# Altium PCB версия1.PcbDoc (part 1 of 3)
Units mm, origin at the board's own origin, x right, y up, seen from the top; angles counter-clockwise.
Board outline 53 x 45 mm, 4 copper layers (Top Layer, Layer 1, Layer 2, Bottom Layer), stack 1.083 mm thick; 122 components, 140 nets, 822 pads, 325 vias.
Unrouted connection lines stored in the file: 1.
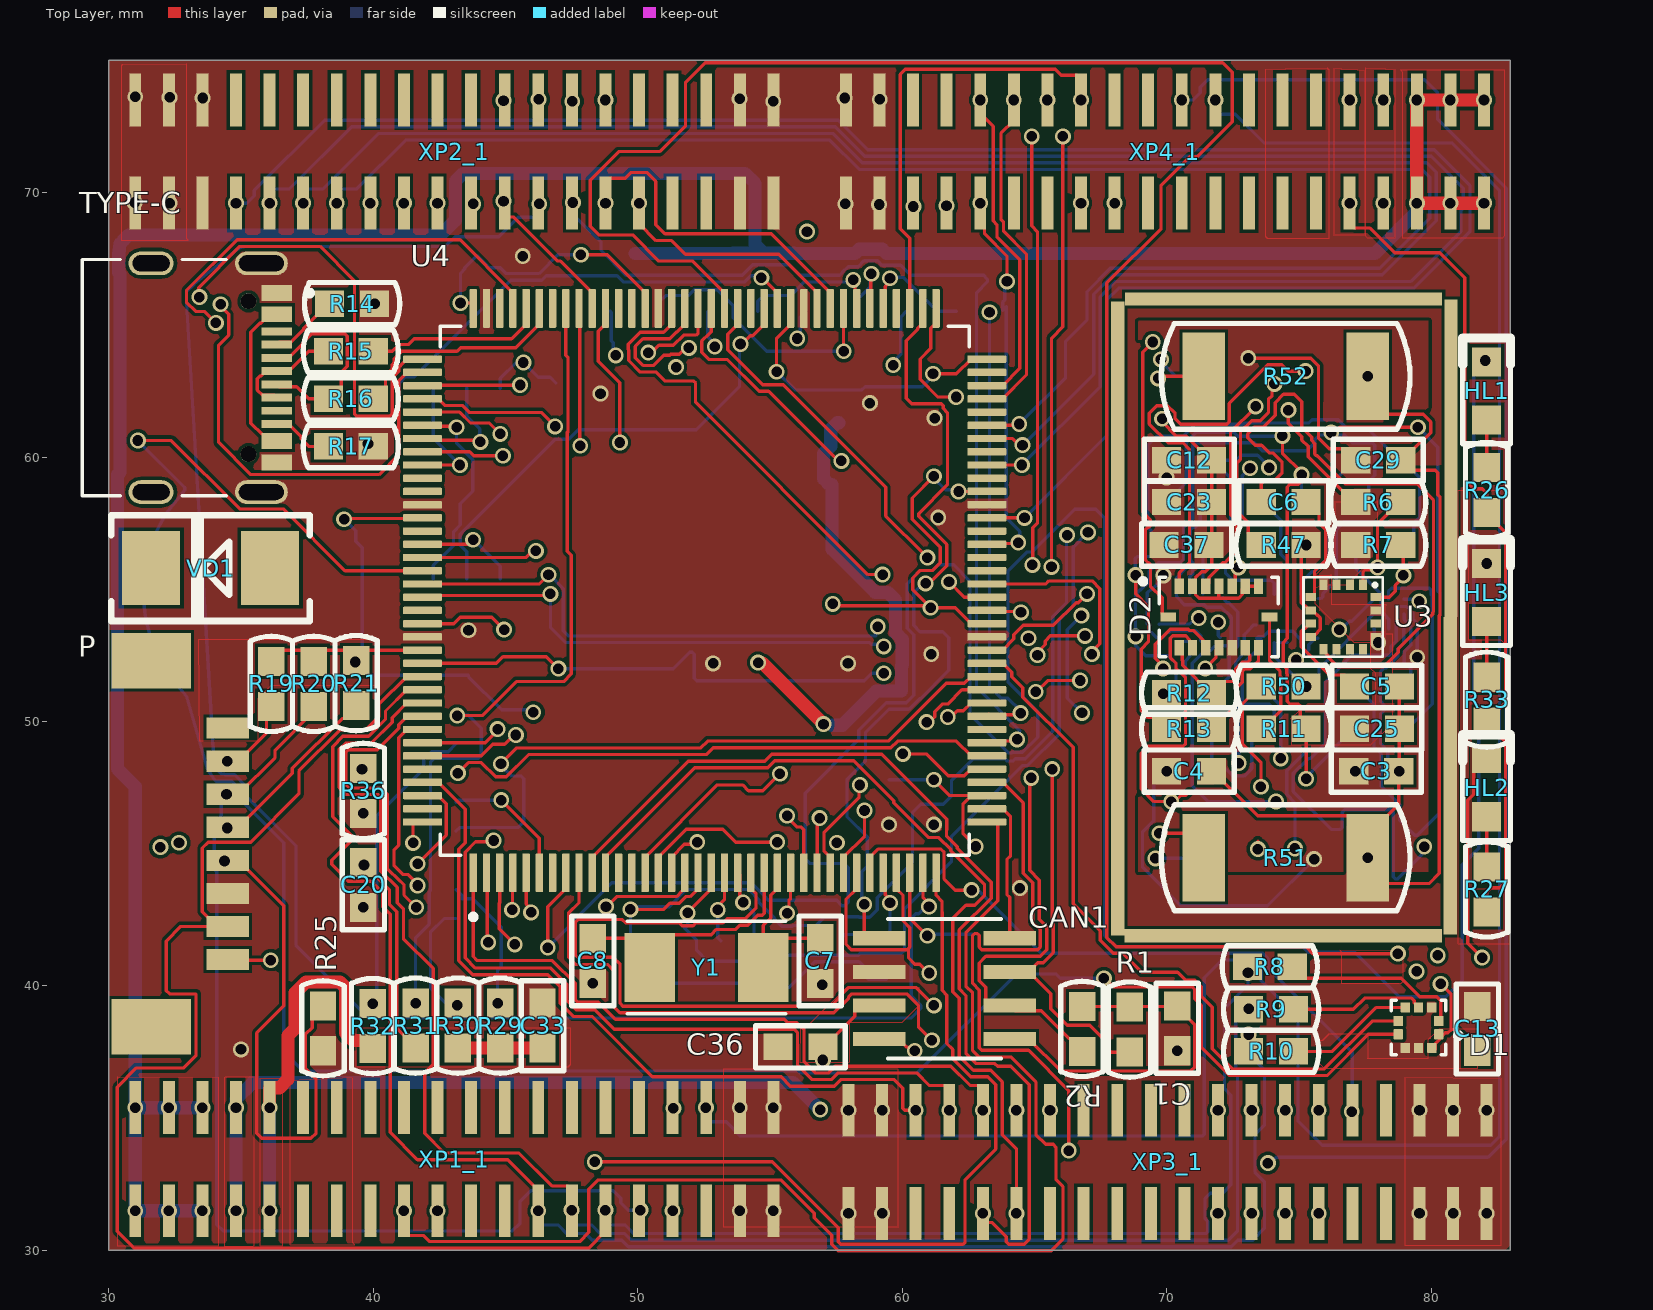
[diagram p0: Top Layer view]
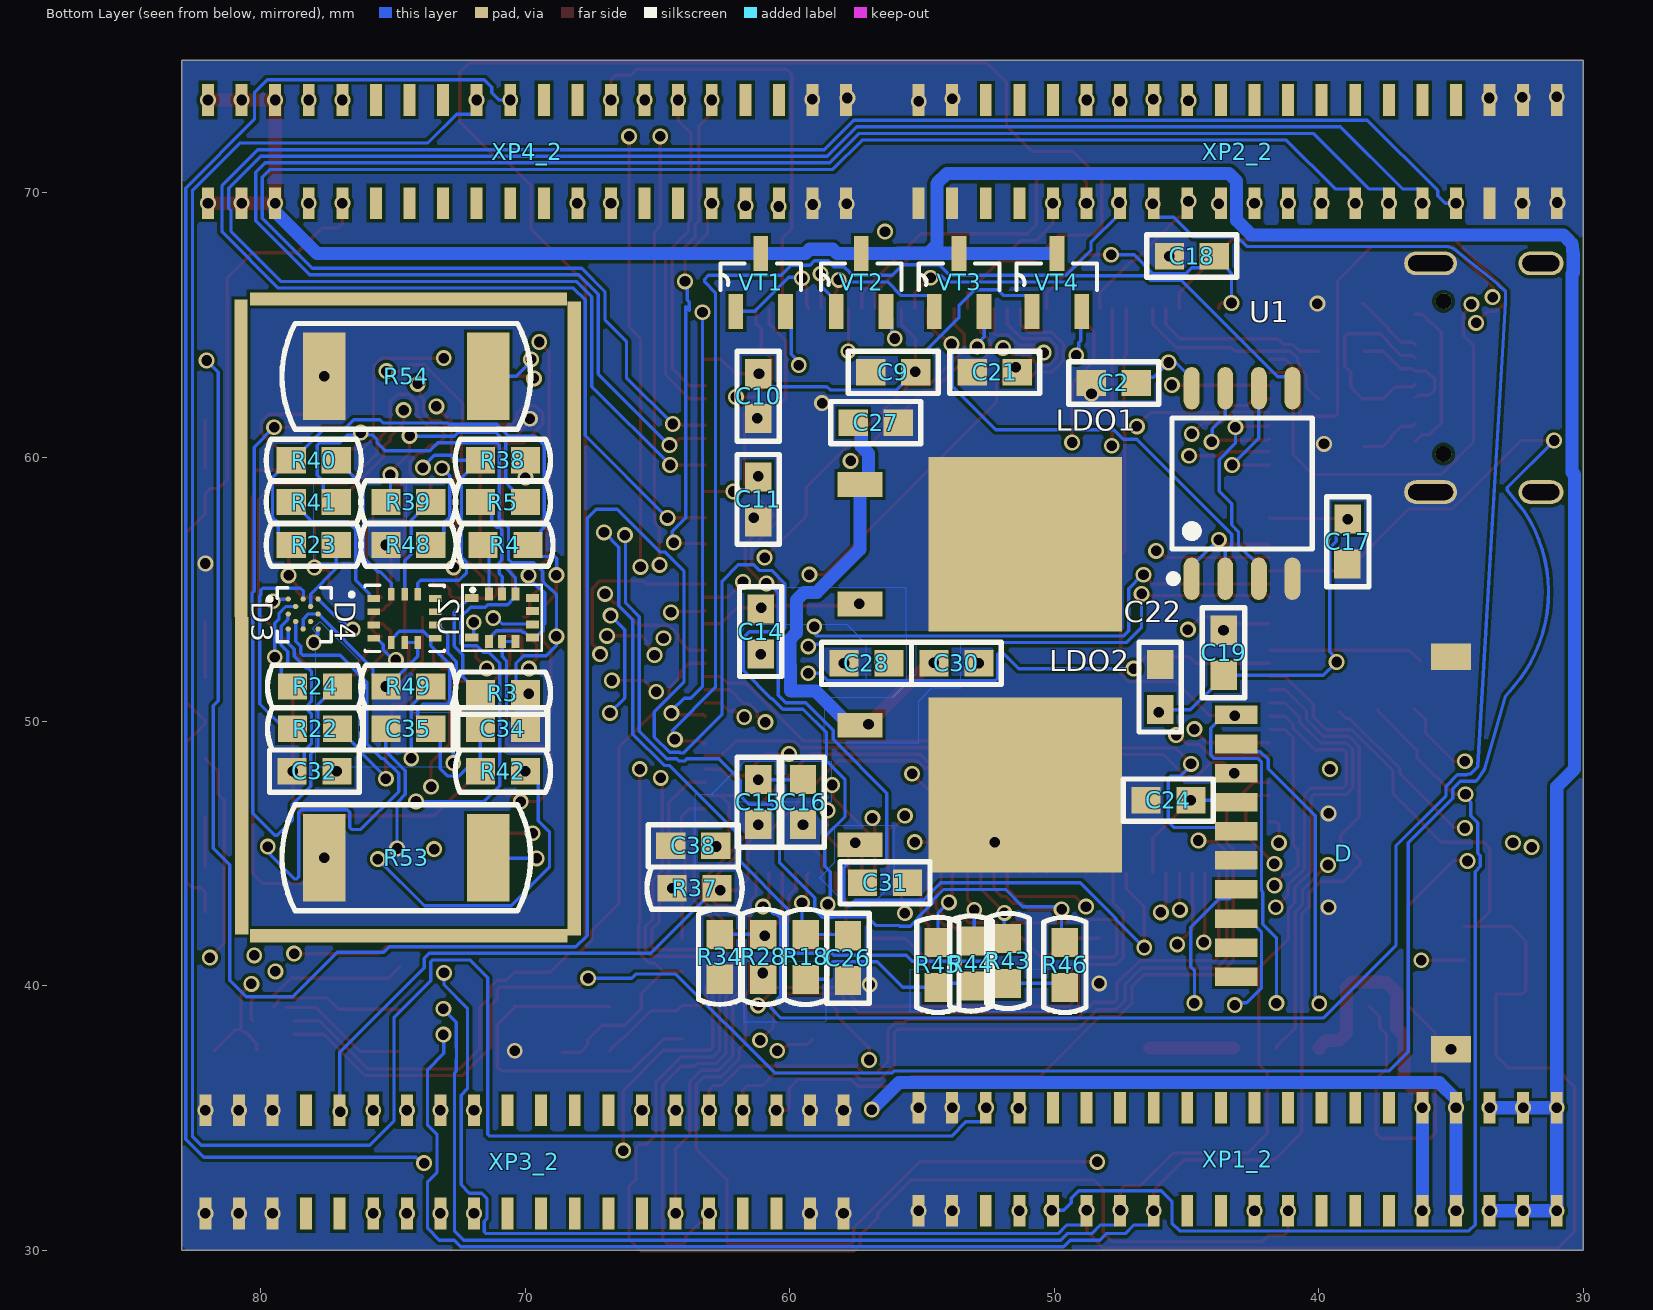
[diagram p1: Bottom Layer view, seen from below]
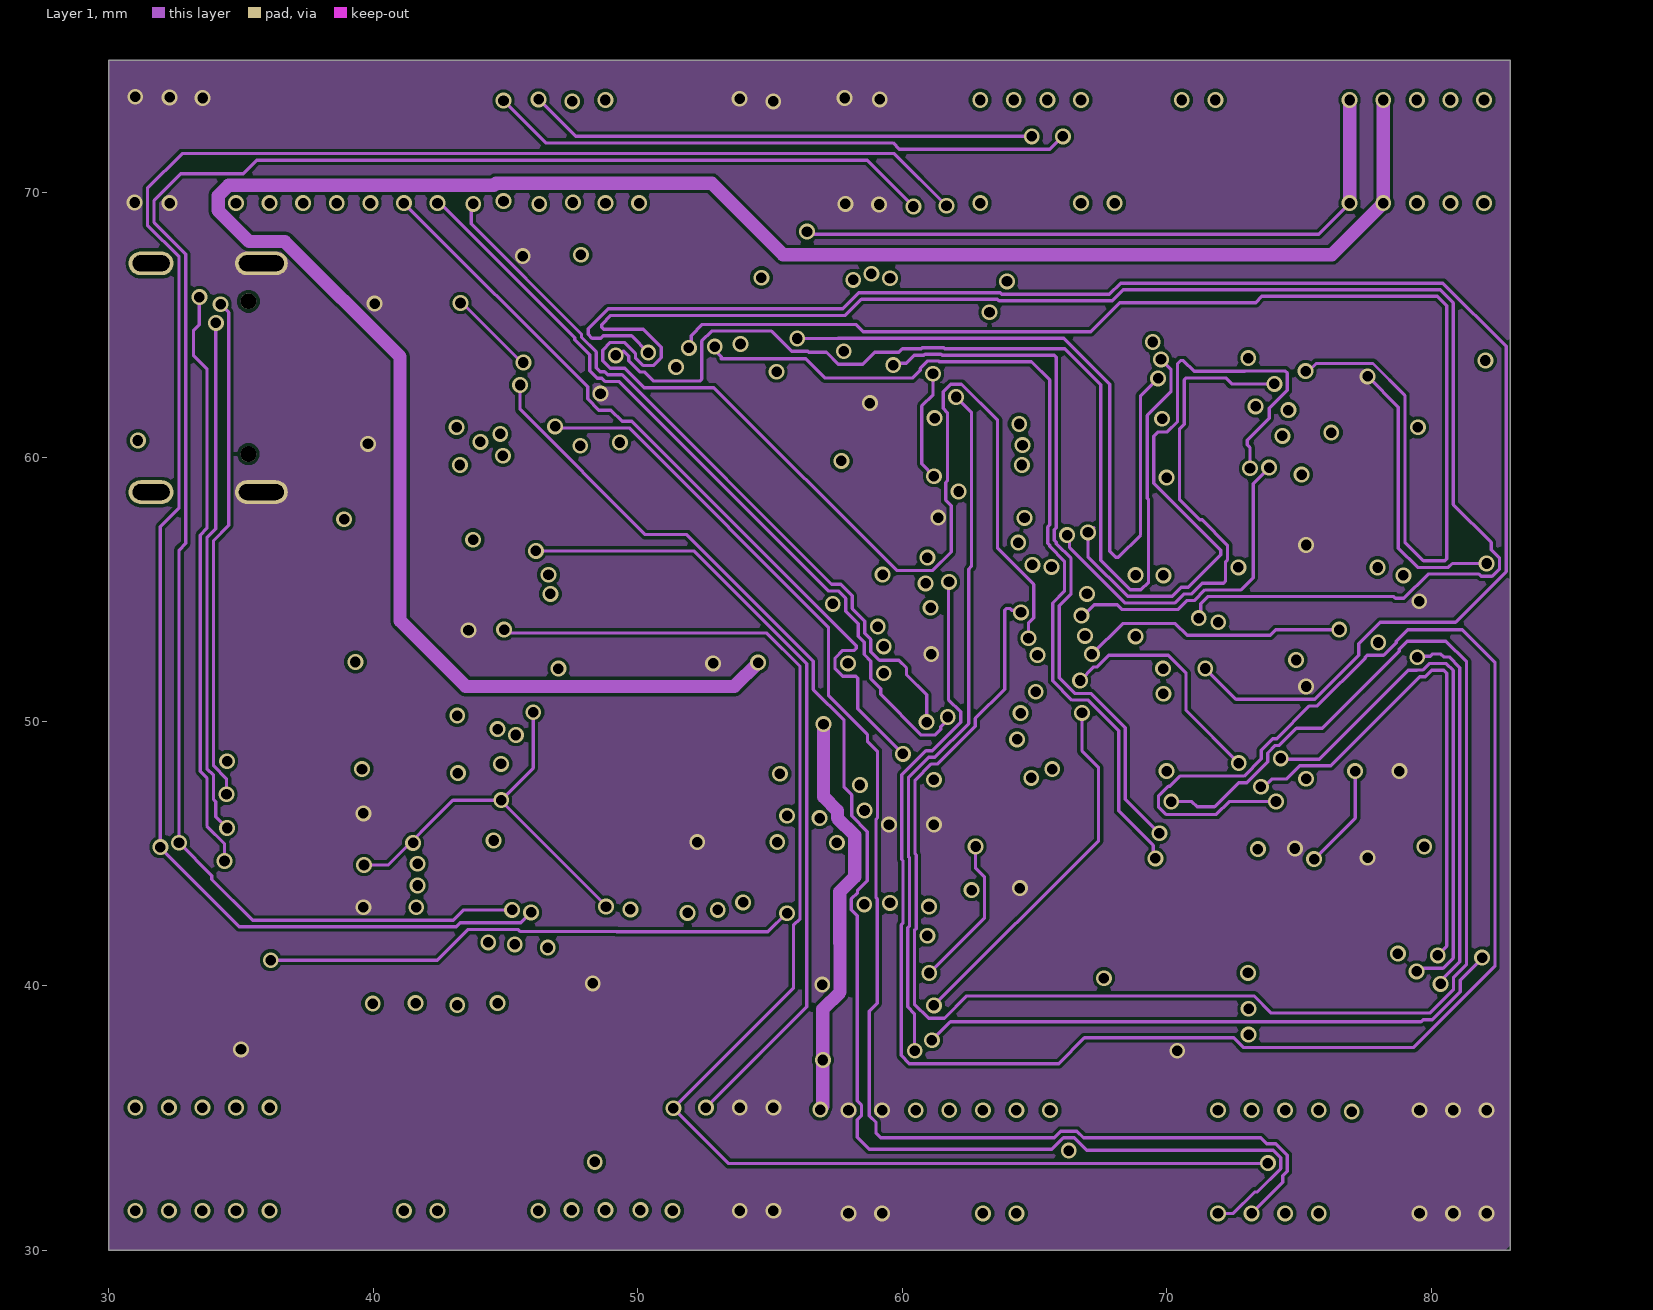
[diagram p2: Layer 1]
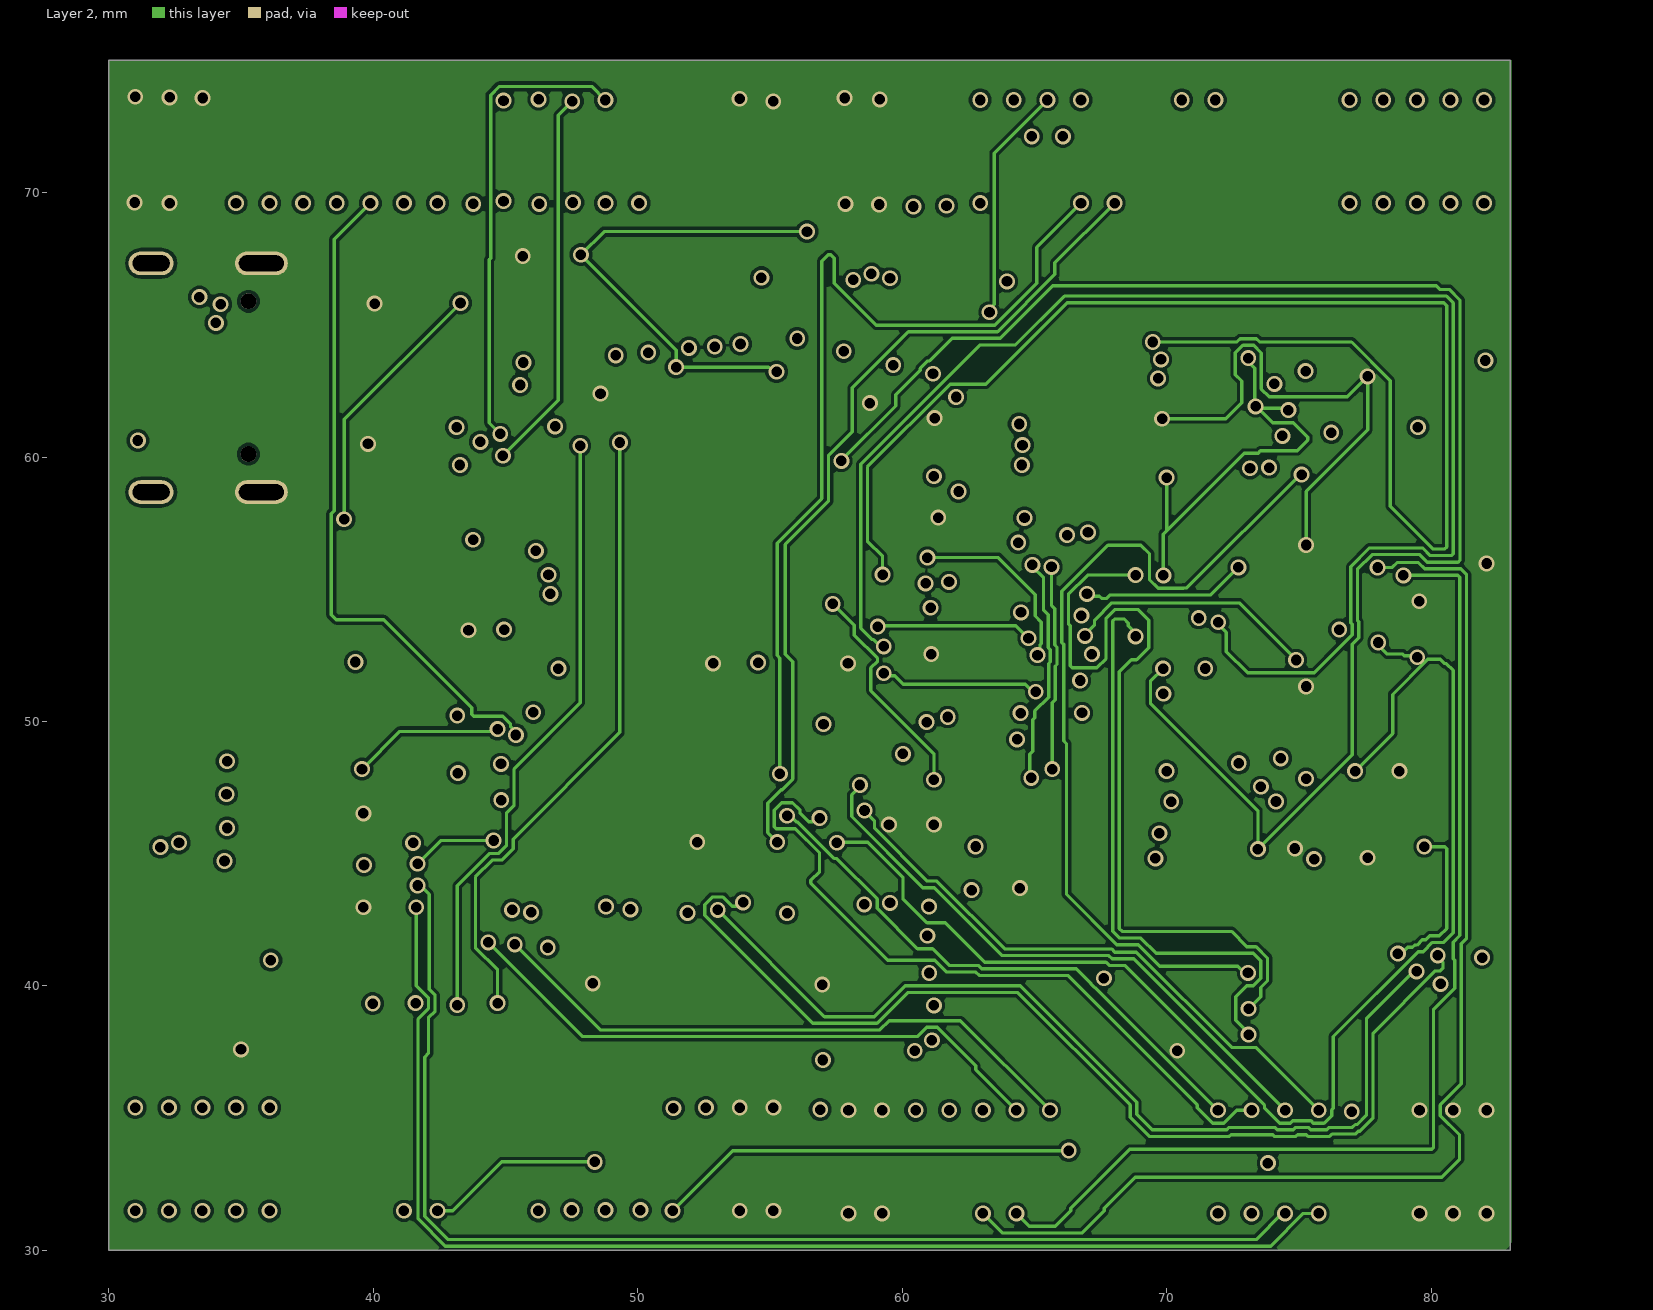
[diagram p3: Layer 2]
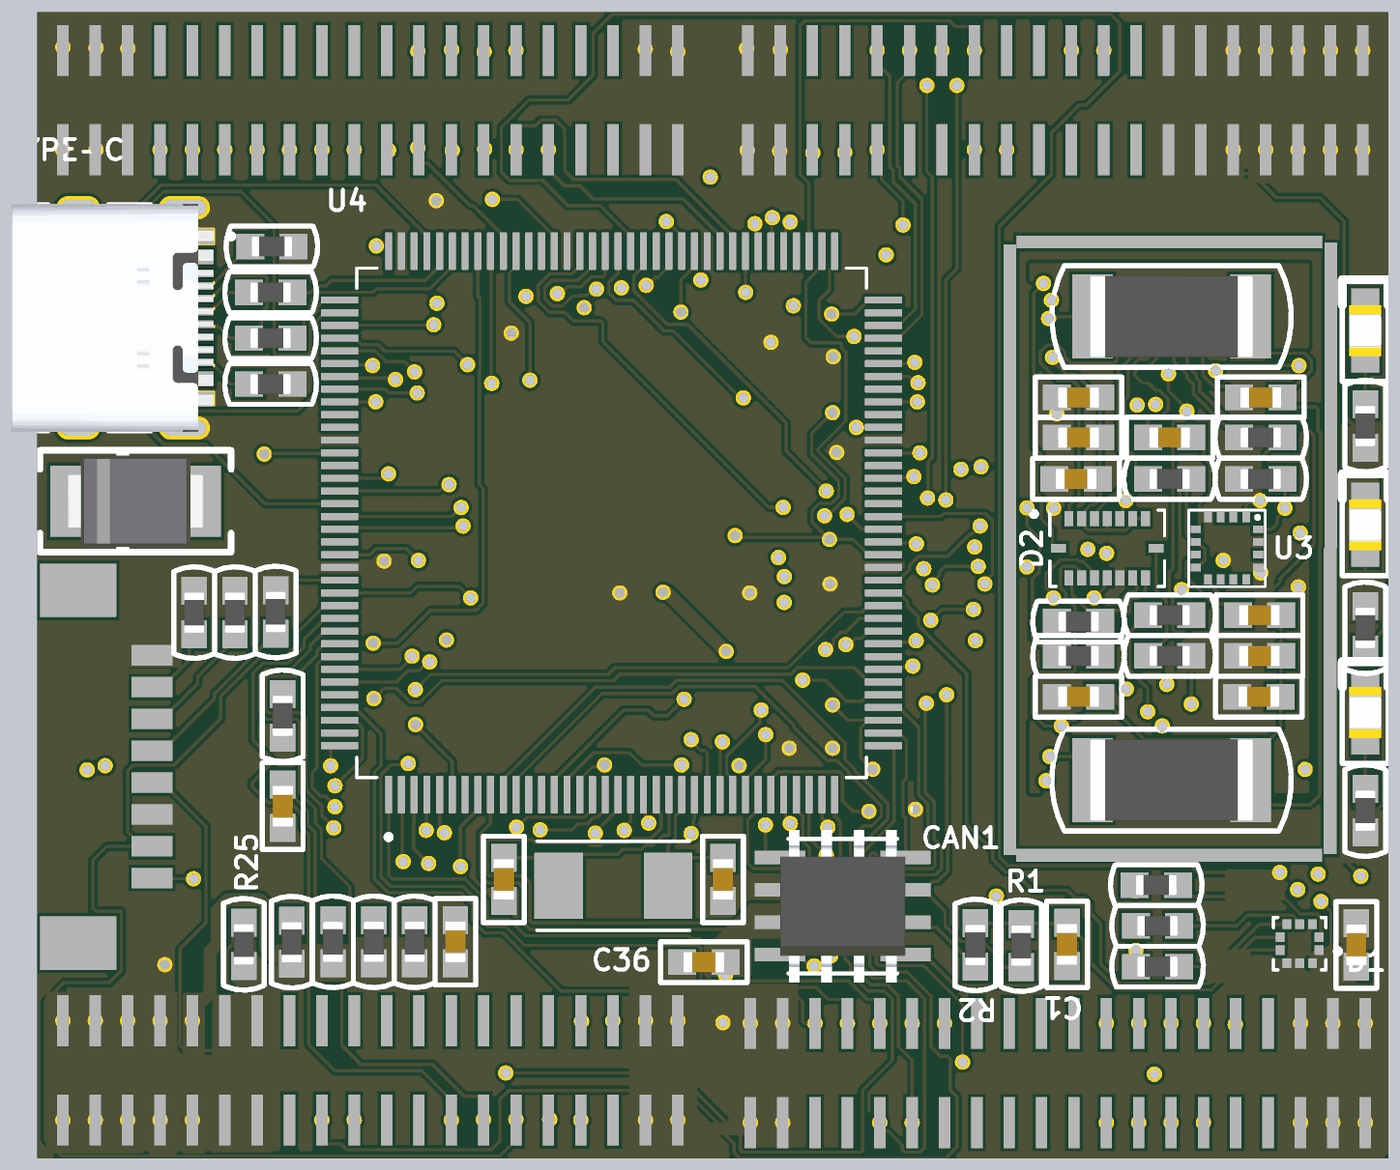
[diagram p6: 3D render of the assembled board from above, using the file's embedded part models]
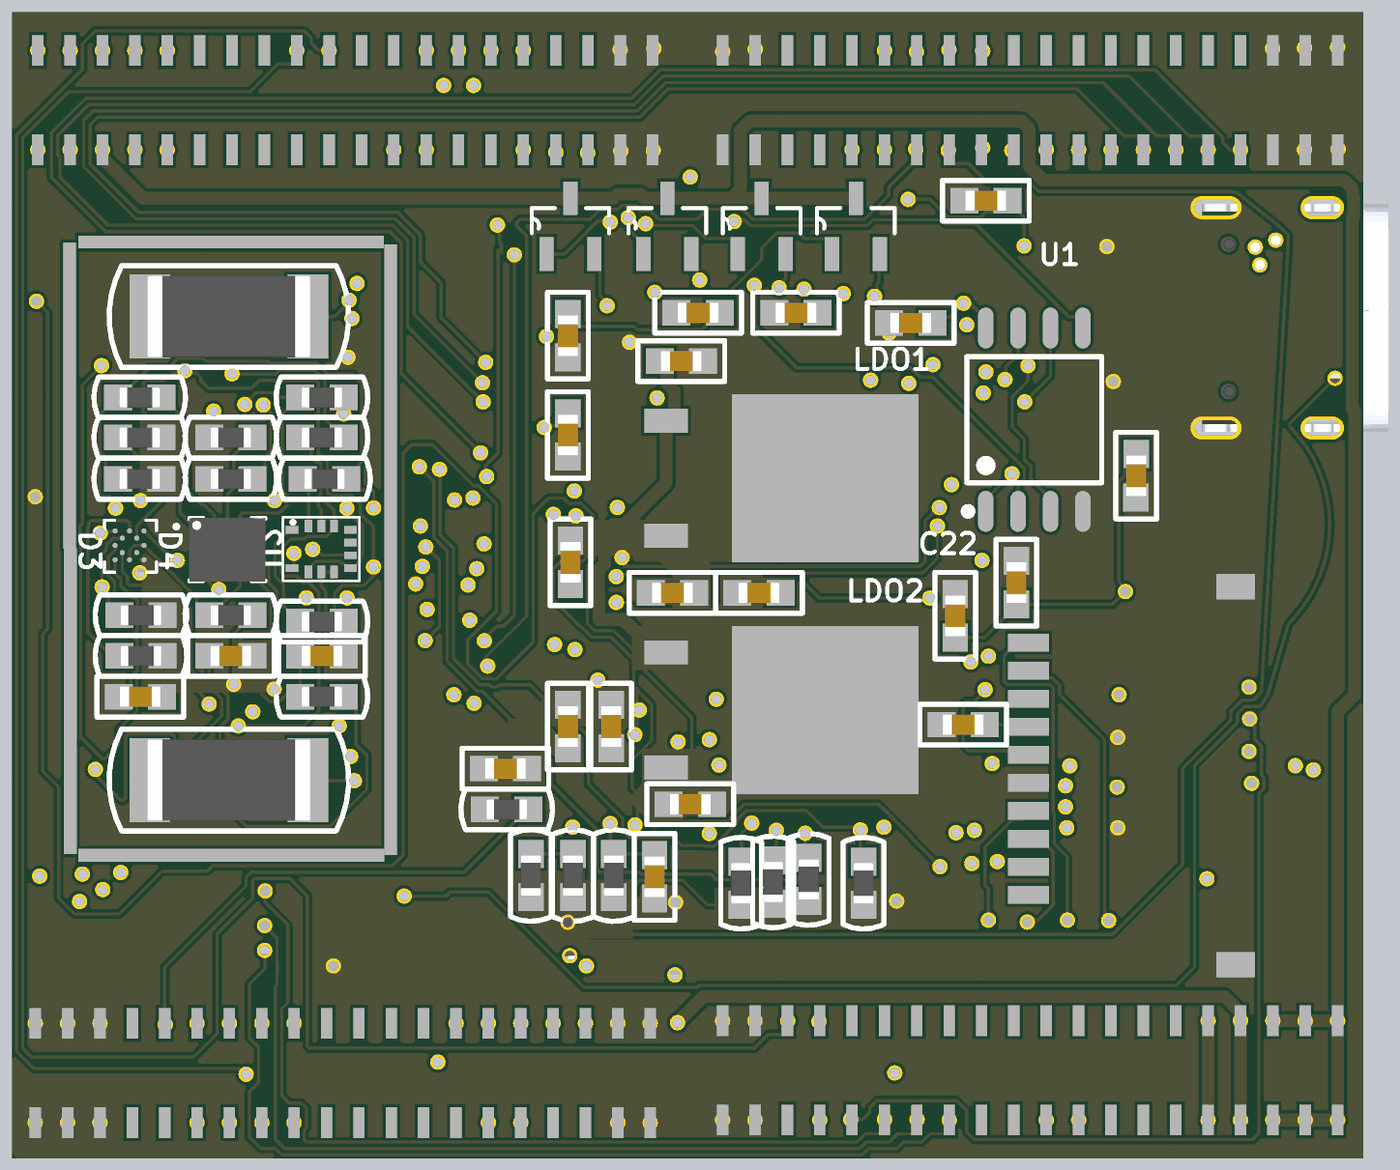
[diagram p7: 3D render of the assembled board from below, using the file's embedded part models]

## Layer stack, top to bottom
Top Solder: solder mask 0.0102, Solder Resist, Dk 3.5
Top Layer: signal copper 0.0356
Dielectric 2: prepreg 0.0711, PP-006, Dk 4.1
Layer 1: signal copper 0.035
Dielectric 1: core 0.8, FR4 Tg135, Dk 4.5
Layer 2: signal copper 0.035
Dielectric 3: prepreg 0.0711, PP-006, Dk 4.1
Bottom Layer: signal copper 0.0356
Bottom Solder: solder mask 0.0102, Solder Resist, Dk 3.5

## Board outline
30,30 83,30 83,75 30,75

## Design rules (kind name [scope] priority, off if disabled: settings)
Clearance [All] p1: gap=0.125 ignorepadtopadclearanceinfootprint=TRUE except(0.1: Arc-SMDPad Track-SMDPad)
ComponentClearance [All] p1: gap=0 collisioncheckmode=3 verticalgap=0 showdistances=FALSE
MinimumSolderMaskSliver [All] p1: minsoldermaskwidth=0
PolygonConnect [All] p1: connectstyle=Direct reliefconductorwidth=0.254 reliefentries=4 polygonreliefangle="90 Angle" airgapwidth=0.254
RoutingVias [All] p1: holewidth=0.4 width=0.6 viastyle="Through Hole" minholewidth=0.4 minwidth=0.6 maxholewidth=0.4 maxwidth=0.6
SolderMaskExpansion [All] p1: expansion=0 istentingtop=FALSE
Width Width_5 [InNet('3V3')] p1 off: maxlimit=0.125 minlimit=0.125 preferedwidth=0.125 minimp=50.000000 maximp=50.000000 favimp=50.000000
Width Width_4 [InNet('GND')] p2 off: maxlimit=0.125 minlimit=0.125 preferedwidth=0.125 minimp=50.000000 maximp=50.000000 favimp=50.000000
Width Width_3 [InNet('5V')] p3 off: maxlimit=0.125 minlimit=0.125 preferedwidth=0.125 minimp=50.000000 maximp=50.000000 favimp=50.000000
Width Width_2 [InNet('4V2')] p4 off: maxlimit=0.125 minlimit=0.125 preferedwidth=0.125 minimp=50.000000 maximp=50.000000 favimp=50.000000
Width Width_1 [InNet('3V3_SEN')] p5 off: maxlimit=0.125 minlimit=0.125 preferedwidth=0.125 minimp=50.000000 maximp=50.000000 favimp=50.000000
Width [All] p6: maxlimit=1 minlimit=0.125 preferedwidth=0.125 minimp=50.000000 maximp=50.000000 favimp=50.000000
28 further rules are at their usual default settings.

## Components (designator, comment, footprint, x,y, rotation, side; value= is the part's Value field where it differs from the comment)
C1 "47 nF" C0603#1 70.4,38.4 r90 top
C2 "100 nF" C0603#1 47.75,62.8 r180 bottom
C3 "100 nF" C0603#1 77.925,48.125 r180 top
C4 "100 nF" C0603#1 70.85,48.125 r180 top
C5 "4.7 uF" C0603#1 77.95,51.325 r180 top
C6 "0.22 uF" C0603#1 74.425,58.3 r180 top
C7 "22 pF" C0603#1 56.9,40.95 r90 top
C8 "22 pF" C0603#1 48.3,40.95 r90 top
C9 "100 nF" C0603#1 56.088,63.2 r180 bottom
C10 "100 nF" C0603#1 61.2,62.3 r90 bottom
C11 "100 nF" C0603#1 61.2,58.4 r90 bottom
C12 "100 nF" C0603#1 70.85,59.875 r180 top
C13 "100 nF" C0603#1 81.75,38.375 r270 top
C14 "100 nF" C0603#1 61.1,53.4 r90 bottom
C15 "100 nF" C0603#1 61.2,46.95 r90 bottom
C16 "100 nF" C0603#1 59.5,46.95 r90 bottom
C17 "100 nF" C0603#2 38.9,56.8 r90 bottom
C18 "100 nF" C0603#1 44.8,67.6 r180 bottom
C19 "100 nF" C0603#1 43.6,52.6 r270 bottom
C20 "100 nF" C0603#1 39.625,43.825 r90 top
C21 "100 nF" C0603#1 52.25,63.2 r180 bottom
C22 "100 nF" C0603#1 46,51.3 r270 bottom
C23 "100 nF" C0603#1 70.85,58.3 r180 top
C24 "100 nF" C0603#1 45.688,47.027 r180 bottom
C25 "100 nF" C0603#1 77.95,49.725 r180 top
C26 "100 nF" C0603#1 57.8,41.05 r90 bottom
C27 "0.1 uF" C0603#1 56.75,61.3 r0 bottom
C28 "10 uF" C0603#1 57.1,52.2 r180 bottom
C29 "100 nF" C0603#1 78,59.875 r180 top
C30 "0.1 uF" C0603#1 53.7,52.2 r0 bottom
C31 "10 uF" C0603#1 56.4,43.9 r0 bottom
C32 "100 nF" C0603#1 77.975,48.125 r180 bottom
C33 "0.1 uF" C0603#1 46.4,38.5 r270 top
C34 "100 nF" C0603#1 70.85,49.725 r0 bottom
C35 "100 nF" C0603#1 74.425,49.725 r180 bottom
C36 "100 nF" C0603#1 56.15,37.7 r180 top
C37 "100 nF" C0603#1 70.75,56.675 r180 top
C38 "100 nF" C0603#1 63.65,45.3 r180 bottom
CAN1 "TJA1040T" SO-8_S 61.6,39.9 r0 top
D "D" GTFP08131Y2HR 35.8,45.4 r270 bottom locked
D1 "BMP388" PQFN50P200X200X80-10N 79.525,38.425 r180 top
D2 "BMI088" PQFN50P450X300X100-16N 71.975,53.95 r0 top
D3 "BMM150" XDCR_BMM150 78.365,54.031 r180 bottom
D4 "BMI270" XDCR_BMI270 74.563,53.9 r180 bottom
HL1 "" LD0805 82.1,62.5 r90 top
HL2 "" LD0805 82.1,47.5 r90 top
HL3 "" LD0805 82.1,54.875 r90 top
LDO1 "КФ1158Н" TO228P972X240-3N 51.252,56.7 r270 bottom
LDO2 "КФ1158Н" TO228P972X240-3N 51.252,47.6 r270 bottom